# Allegro board 038NC-GRIFFI-V9A_16.brd (continued)
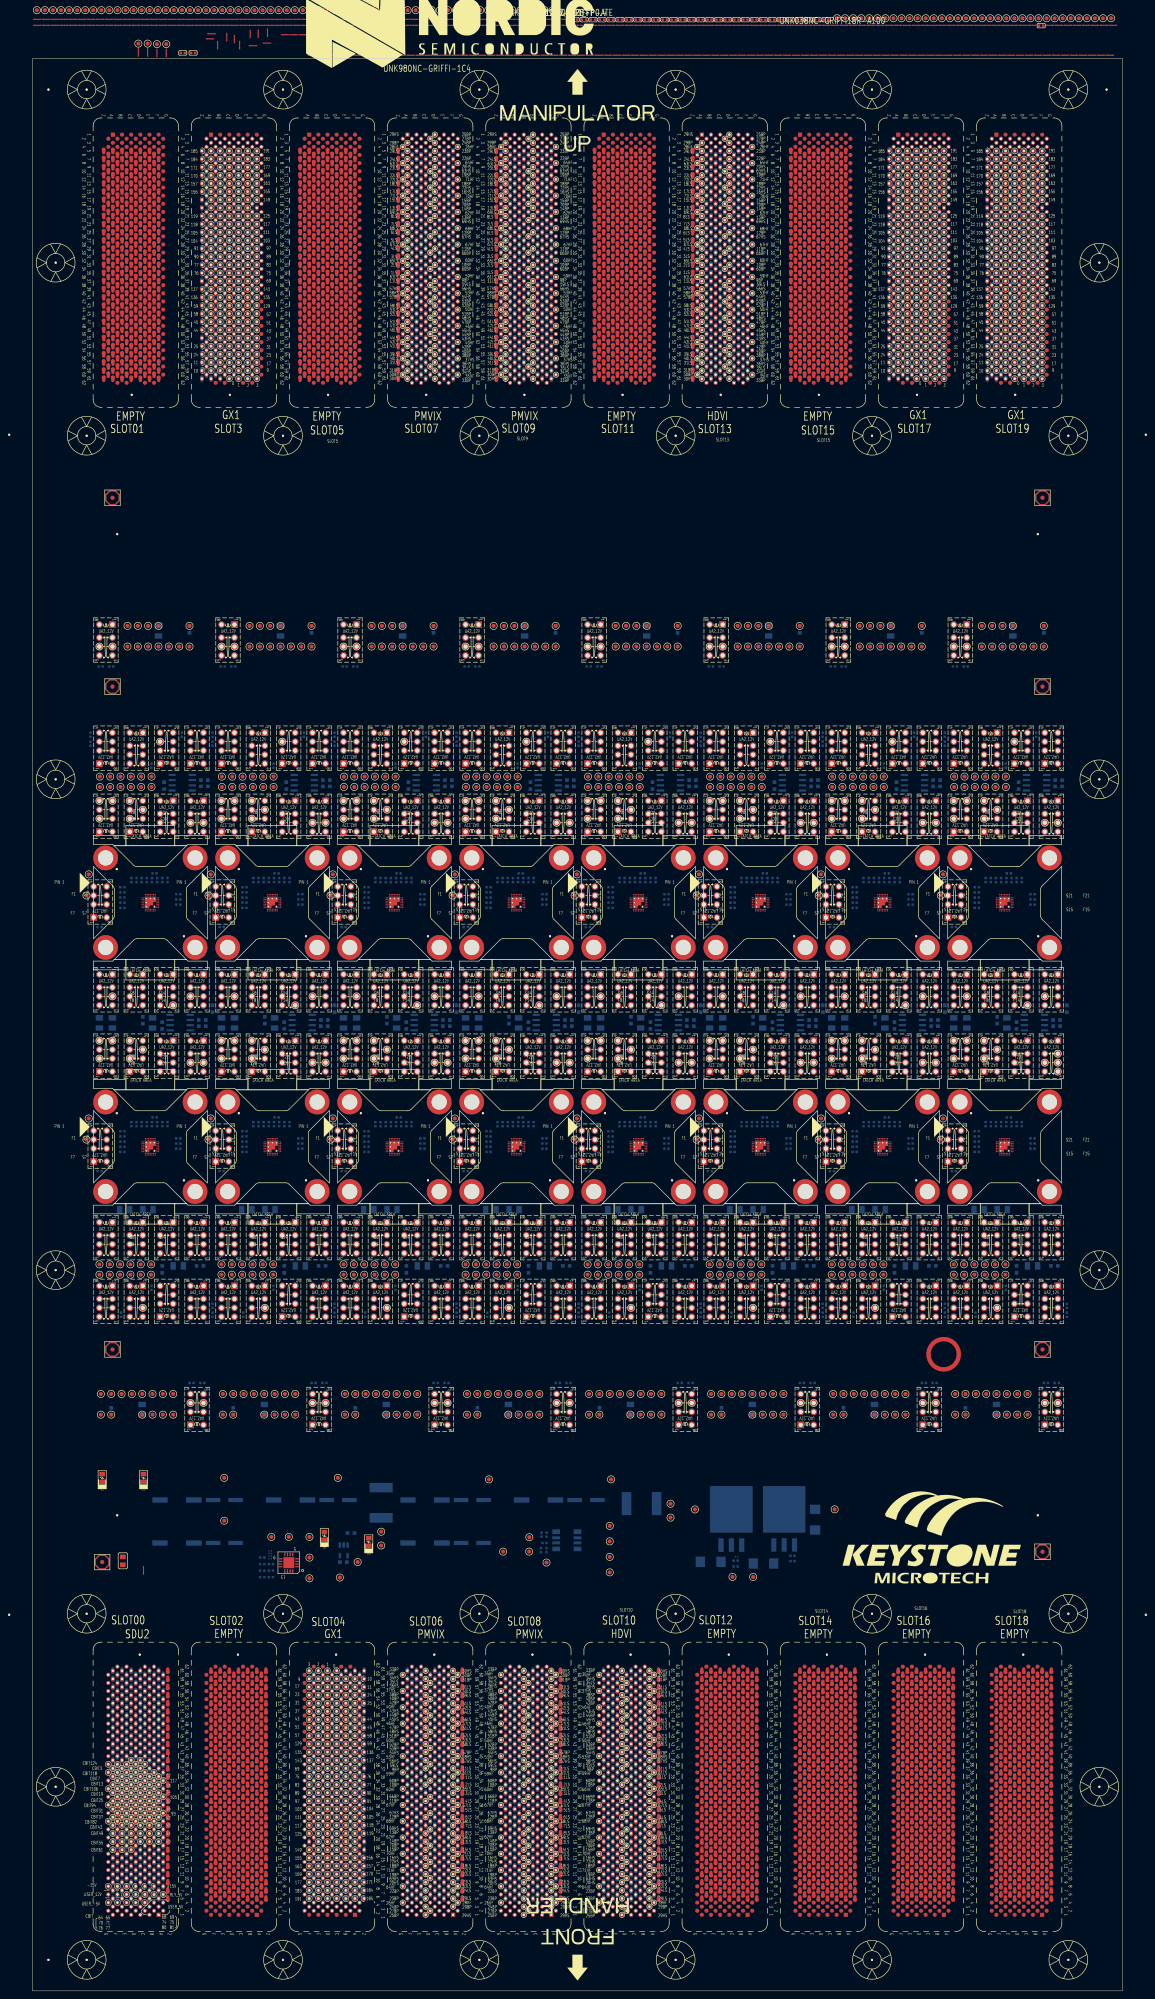
[diagram p0: board, top side]
## Placement (name value [footprint] x y rotation side) (continued)
NOREF#1213  -  []  151.01 266.29 90 top
NOREF#1214  -  []  121.16 295.41 90 top
NOREF#1215  -  []  218.86 173.3 0 top
NOREF#1216  -  []  112.99 226.49 0 top
NOREF#1217  -  []  86.96 208.69 0 top
NOREF#1218  -  []  41.4 295.64 90 top
NOREF#1219  -  []  14.22 225.18 90 top
NOREF#1220  -  []  177.79 209.51 0 top
NOREF#1221  -  []  46.47 290.34 90 top
NOREF#1222  -  []  123.43 240.62 90 top
NOREF#1223  -  []  233.93 288.14 90 top
NOREF#1224  -  []  172.46 106.41 0 top
NOREF#1225  -  []  225.06 269.26 90 top
NOREF#1226  -  []  82.99 286.49 0 top
NOREF#1227  -  []  222.06 284.94 90 top
NOREF#1228  -  []  15.07 300.03 90 top
NOREF#1229  -  []  38.86 139.12 90 top
NOREF#1230  -  []  75.06 263.86 90 top
NOREF#1231  -  []  43.81 238.87 0 top
NOREF#1232  -  []  38.86 139.12 0 top
NOREF#1233  -  []  38.66 177.76 90 top
NOREF#1234  -  []  65.02 300.88 0 top
NOREF#1235  -  []  154.59 228.18 90 top
NOREF#1236  -  []  38.86 304.88 90 top
NOREF#1237  -  []  159.71 458.49 0 top
NOREF#1238  -  []  183.43 300.03 90 top
NOREF#1239  -  []  243.43 240.62 90 top
NOREF#1240  -  []  36 283.29 90 top
NOREF#1241  -  []  49.67 185.73 90 top
NOREF#1242  -  []  53.93 284.94 90 top
NOREF#1243  -  []  43.88 106.81 0 top
NOREF#1244  -  []  63.18 16.49 0 top
NOREF#1245  -  []  31.01 206.29 90 top
NOREF#1246  -  []  132.48 225.18 0 top
NOREF#1247  -  []  188.39 193.49 45 top
NOREF#1248  -  []  241.39 304.88 90 top
NOREF#1249  -  []  229.67 244.47 90 top
NOREF#1250  -  []  131.02 250.67 0 top
NOREF#1251  -  []  130.89 179.68 90 top
NOREF#1252  -  []  103.42 454.29 90 top
NOREF#1253  -  []  81.95 109.2 90 top
NOREF#1254  -  []  20.49 270.77 0 top
NOREF#1255  -  []  209.32 208.11 315 top
NOREF#1256  -  []  120.34 266.14 90 top
NOREF#1257  -  []  236.96 208.69 0 top
NOREF#1258  -  []  251.16 389.27 90 top
NOREF#1259  -  []  78.36 164.05 90 top
NOREF#1260  -  []  23.93 284.94 0 top
NOREF#1261  -  []  91.4 233.58 0 top
NOREF#1262  -  []  26.56 164.05 90 top
NOREF#1263  -  []  181.01 266.69 90 top
NOREF#1264  -  []  31.4 249.87 0 top
NOREF#1265  -  []  60.19 265.86 90 top
NOREF#1266  -  []  147.79 209.51 0 top
NOREF#1267  -  []  14.99 283.99 0 top
NOREF#1268  -  []  178.35 267.84 45 top
NOREF#1269  -  []  248.39 193.49 45 top
NOREF#1270  -  []  52.99 248.49 0 top
NOREF#1271  -  []  209.29 207.51 45 top
NOREF#1272  -  []  125.02 284.14 0 top
NOREF#1273  -  []  175.64 106.94 0 top
NOREF#1274  -  []  192.48 284.14 0 top
NOREF#1275  -  []  237.36 208.69 0 top
NOREF#1276  -  []  121.39 168.9 90 top
NOREF#1277  -  []  183.41 234.38 0 top
NOREF#1278  -  []  221.02 174.1 0 top
NOREF#1279  -  []  89.29 267.51 45 top
NOREF#1280  -  []  207.13 185.73 90 top
NOREF#1281  -  []  226.47 225.98 0 top
NOREF#1282  -  []  173.93 225.98 0 top
NOREF#1283  -  []  34.6 244.47 90 top
NOREF#1284  -  []  15.06 263.86 0 top
NOREF#1285  -  []  55.88 237.76 90 top
NOREF#1286  -  []  55.95 293.34 0 top
NOREF#1287  -  []  203.93 225.98 90 top
NOREF#1288  -  []  34.6 246.67 90 top
NOREF#1289  -  []  33.26 115.65 0 top
NOREF#1290  -  []  143.93 188.93 0 top
NOREF#1291  -  []  83.93 290.34 90 top
NOREF#1292  -  []  16.47 288.14 90 top
NOREF#1293  -  []  23.93 231.38 90 top
NOREF#1294  -  []  162.06 289.34 90 top
NOREF#1295  -  []  44.99 281.49 90 top
NOREF#1296  -  []  17.99 278.49 0 top
NOREF#1297  -  []  16.42 127.15 0 top
NOREF#1298  -  []  23.93 290.34 90 top
NOREF#1299  -  []  58.12 108.17 0 top
NOREF#1300  -  []  57.82 105.89 0 top
NOREF#1301  -  []  29.15 164.9 90 top
NOREF#1302  -  []  109.67 332.66 90 top
NOREF#1303  -  []  196.47 288.14 90 top
NOREF#1304  -  []  169.94 164.9 0 top
NOREF#1305  -  []  236.96 268.69 0 top
NOREF#1306  -  []  13.66 262.21 0 top
NOREF#1307  -  []  91.4 165.7 90 top
NOREF#1308  -  []  15.07 283.29 0 top
NOREF#1309  -  []  76.47 173.3 0 top
NOREF#1310  -  []  132.06 242.27 90 top
NOREF#1311  -  []  64.59 230.38 90 top
NOREF#1312  -  []  157.55 263.78 0 top
NOREF#1313  -  []  218.86 139.12 0 top
NOREF#1314  -  []  72.06 228.18 90 top
NOREF#1315  -  []  115.7 198.99 90 top
NOREF#1316  -  []  45.06 269.26 90 top
NOREF#1317  -  []  151.39 301.68 90 top
NOREF#1318  -  []  16.47 304.88 90 top
NOREF#1319  -  []  119.29 267.51 45 top
NOREF#1320  -  []  202.98 286.49 0 top
NOREF#1321  -  []  19.67 183.53 90 top
NOREF#1322  -  []  38.86 249.87 0 top
NOREF#1323  -  []  222.06 230.38 90 top
NOREF#1324  -  []  76.47 301.68 0 top
NOREF#1325  -  []  86.96 268.69 0 top
NOREF#1326  -  []  158.86 304.88 90 top
NOREF#1327  -  []  61.4 249.87 0 top
NOREF#1328  -  []  43.46 283.29 90 top
NOREF#1329  -  []  58.35 267.84 315 top
NOREF#1330  -  []  118.35 267.84 45 top
NOREF#1331  -  []  91.4 165.7 0 top
NOREF#1332  -  []  52.99 188.49 0 top
NOREF#1333  -  []  87.13 167.9 90 top
NOREF#1334  -  []  164.98 221.49 90 top
NOREF#1335  -  []  181.39 301.68 90 top
NOREF#1336  -  []  147.13 170.1 90 top
NOREF#1337  -  []  26.58 124.95 90 top
NOREF#1338  -  []  146.04 17.15 0 top
NOREF#1339  -  []  21.68 225.18 0 top
NOREF#1340  -  []  213.41 189.73 0 top
NOREF#1341  -  []  100.89 240.62 90 top
NOREF#1342  -  []  102.06 181.33 90 top
NOREF#1343  -  []  230.73 215.74 0 top
NOREF#1344  -  []  63.19 457.2 0 top
NOREF#1345  -  []  248.66 177.76 90 top
NOREF#1346  -  []  187.23 259.24 90 top
NOREF#1347  -  []  60.65 236.45 90 top
NOREF#1348  -  []  194.98 253.49 90 top
NOREF#1349  -  []  99.47 115.65 0 top
NOREF#1350  -  []  229.94 300.88 0 top
NOREF#1351  -  []  158.86 301.68 0 top
NOREF#1352  -  []  228.36 179.68 90 top
NOREF#1353  -  []  188.86 233.58 0 top
NOREF#1354  -  []  87.13 244.47 90 top
NOREF#1355  -  []  83.93 284.94 90 top
NOREF#1356  -  []  208.65 266.87 45 top
NOREF#1357  -  []  161.02 189.73 0 top
NOREF#1358  -  []  20.22 174.1 0 top
NOREF#1359  -  []  190.47 111.76 0 top
NOREF#1360  -  []  169.67 170.1 90 top
NOREF#1361  -  []  209.38 209.51 0 top
NOREF#1362  -  []  225.06 263.86 0 top
NOREF#1363  -  []  48.48 174.1 0 top
NOREF#1364  -  []  147.13 242.27 90 top
NOREF#1365  -  []  107.99 196.49 90 top
NOREF#1366  -  []  199.93 18.69 90 top
NOREF#1367  -  []  213.61 263.06 0 top
NOREF#1368  -  []  16.47 188.93 0 top
NOREF#1369  -  []  228.36 283.29 90 top
NOREF#1370  -  []  154.59 242.27 90 top
NOREF#1371  -  []  50.49 210.77 0 top
NOREF#1372  -  []  85.94 234.38 0 top
NOREF#1373  -  []  218.43 17.15 0 top
NOREF#1374  -  []  105.92 284.14 90 top
NOREF#1375  -  []  163.73 103.85 90 top
NOREF#1376  -  []  16.47 301.68 90 top
NOREF#1377  -  []  117.64 208.84 0 top
NOREF#1378  -  []  68.86 304.88 90 top
NOREF#1379  -  []  98.66 177.76 90 top
NOREF#1380  -  []  58.65 266.87 45 top
NOREF#1381  -  []  194.98 221.49 90 top
NOREF#1382  -  []  243.41 250.67 0 top
NOREF#1383  -  []  252.06 183.53 90 top
NOREF#1384  -  []  211.39 188.93 0 top
NOREF#1385  -  []  23.93 225.98 90 top
NOREF#1386  -  []  128.86 301.68 90 top
NOREF#1387  -  []  98.86 142.32 90 top
NOREF#1388  -  []  115.94 293.34 0 top
NOREF#1389  -  []  104.84 106.81 0 top
NOREF#1390  -  []  205.94 293.34 0 top
NOREF#1391  -  []  128.31 138.32 90 top
NOREF#1392  -  []  155.02 300.88 0 top
NOREF#1393  -  []  161.02 250.67 0 top
NOREF#1394  -  []  67.36 333.84 90 top
NOREF#1395  -  []  239.29 207.51 45 top
NOREF#1396  -  []  14.99 281.49 90 top
NOREF#1397  -  []  85.97 326.61 90 top
NOREF#1398  -  []  226.47 301.68 0 top
NOREF#1399  -  []  147.13 244.47 90 top
NOREF#1400  -  []  72.06 230.38 90 top
NOREF#1401  -  []  14.99 281.49 90 top
NOREF#1402  -  []  191.4 298.06 90 top
NOREF#1403  -  []  226.47 284.94 0 top
NOREF#1404  -  []  76.47 249.87 0 top
NOREF#1405  -  []  97.55 203.78 0 top
NOREF#1406  -  []  107.99 278.49 0 top
NOREF#1407  -  []  31.4 165.7 0 top
NOREF#1408  -  []  173.38 225.18 90 top
NOREF#1409  -  []  94.59 225.98 90 top
NOREF#1410  -  []  164.19 105.45 0 top
NOREF#1411  -  []  164.98 283.99 0 top
NOREF#1412  -  []  146.96 208.69 0 top
NOREF#1413  -  []  58.35 207.84 315 top
NOREF#1414  -  []  68.86 188.93 0 top
NOREF#1415  -  []  106.38 389.27 90 top
NOREF#1416  -  []  188.69 456.29 90 top
NOREF#1417  -  []  57.82 107.84 0 top
NOREF#1418  -  []  94.59 228.18 90 top
NOREF#1419  -  []  134.98 281.49 90 top
NOREF#1420  -  []  205.94 234.38 0 top
NOREF#1421  -  []  25.7 258.99 90 top
NOREF#1422  -  []  21.07 326.61 90 top
NOREF#1423  -  []  162.66 103.55 90 top
NOREF#1424  -  []  55.97 179.68 90 top
NOREF#1425  -  []  70.89 179.68 90 top
NOREF#1426  -  []  16.47 229.18 90 top
NOREF#1427  -  []  161.4 296.54 90 top
NOREF#1428  -  []  252.06 244.47 90 top
NOREF#1429  -  []  31.36 120.65 0 top
NOREF#1430  -  []  49.67 183.53 90 top
NOREF#1431  -  []  72.48 284.14 0 top
NOREF#1432  -  []  233.38 284.14 90 top
NOREF#1433  -  []  136.47 225.98 90 top
NOREF#1434  -  []  82.99 226.49 0 top
NOREF#1435  -  []  244.59 185.73 90 top
NOREF#1436  -  []  100.89 179.68 90 top
NOREF#1437  -  []  25.97 179.68 90 top
NOREF#1438  -  []  23.93 229.18 90 top
NOREF#1439  -  []  29.29 207.51 45 top
NOREF#1440  -  []  48.48 310.08 0 top
NOREF#1441  -  []  188.86 249.87 0 top
NOREF#1442  -  []  211.01 266.69 90 top
NOREF#1443  -  []  117.13 242.27 90 top
NOREF#1444  -  []  235.94 250.67 0 top
NOREF#1445  -  []  188.66 177.76 90 top
NOREF#1446  -  []  233.93 309.28 0 top
NOREF#1447  -  []  200.73 215.74 0 top
NOREF#1448  -  []  173.93 288.14 90 top
NOREF#1449  -  []  181.39 249.87 0 top
NOREF#1450  -  []  183.61 263.06 0 top
NOREF#1451  -  []  115.94 250.67 0 top
NOREF#1452  -  []  170.73 275.74 0 top
NOREF#1453  -  []  105.06 263.86 90 top
NOREF#1454  -  []  175.97 326.61 90 top
NOREF#1455  -  []  237.13 301.68 90 top
NOREF#1456  -  []  147.04 82.65 0 top
NOREF#1457  -  []  252.06 185.73 90 top
NOREF#1458  -  []  73.65 17.15 0 top
NOREF#1459  -  []  192.06 170.1 90 top
NOREF#1460  -  []  150.18 205.47 90 top
NOREF#1461  -  []  193.01 240.57 90 top
NOREF#1462  -  []  130.89 240.62 90 top
NOREF#1463  -  []  128.39 253.49 45 top
NOREF#1464  -  []  34.6 289.34 90 top
NOREF#1465  -  []  38.39 253.49 45 top
NOREF#1466  -  []  57.79 269.51 0 top
NOREF#1467  -  []  145.97 179.68 90 top
NOREF#1468  -  []  173.93 229.18 90 top
NOREF#1469  -  []  136.47 231.38 90 top
NOREF#1470  -  []  226.47 284.94 90 top
NOREF#1471  -  []  16.15 123.41 90 top
NOREF#1472  -  []  19.67 167.9 90 top
NOREF#1473  -  []  83.93 173.3 0 top
NOREF#1474  -  []  29.39 209.51 0 top
NOREF#1475  -  []  166.47 301.68 0 top
NOREF#1476  -  []  83.93 249.87 0 top
NOREF#1477  -  []  154.59 289.34 90 top
NOREF#1478  -  []  154.59 185.73 90 top
NOREF#1479  -  []  14.22 225.18 0 top
NOREF#1480  -  []  111.43 16.49 0 top
NOREF#1481  -  []  98.86 188.93 0 top
NOREF#1482  -  []  166.47 290.34 90 top
NOREF#1483  -  []  247.36 333.84 90 top
NOREF#1484  -  []  41.02 189.73 0 top
NOREF#1485  -  []  42.06 228.18 90 top
NOREF#1486  -  []  91.16 295.41 90 top
NOREF#1487  -  []  258.36 164.05 90 top
NOREF#1488  -  []  178.35 207.84 45 top
NOREF#1489  -  []  80.74 215.74 0 top
NOREF#1490  -  []  248.39 253.49 45 top
NOREF#1491  -  []  63.41 250.67 0 top
NOREF#1492  -  []  229.67 246.67 90 top
NOREF#1493  -  []  235.94 189.73 0 top
NOREF#1494  -  []  170.73 215.74 0 top
NOREF#1495  -  []  102.06 183.53 90 top
NOREF#1496  -  []  135.06 207.06 90 top
NOREF#1497  -  []  46.47 301.68 0 top
NOREF#1498  -  []  203.93 225.98 0 top
NOREF#1499  -  []  158.86 139.12 0 top
NOREF#1500  -  []  168.36 240.62 90 top
NOREF#1501  -  []  248.31 300.88 90 top
NOREF#1502  -  []  34.6 230.38 90 top
NOREF#1503  -  []  68.86 301.68 0 top
NOREF#1504  -  []  150.67 176.51 90 top
NOREF#1505  -  []  177.13 170.1 90 top
NOREF#1506  -  []  63.41 234.38 0 top
NOREF#1507  -  []  198.48 310.08 0 top
NOREF#1508  -  []  175.97 179.68 90 top
NOREF#1509  -  []  207.13 303.88 90 top
NOREF#1510  -  []  227.98 218.49 0 top
NOREF#1511  -  []  95.02 300.88 0 top
NOREF#1512  -  []  203.93 229.18 90 top
NOREF#1513  -  []  192.06 242.27 90 top
NOREF#1514  -  []  116.96 208.69 0 top
NOREF#1515  -  []  164.98 193.49 90 top
NOREF#1516  -  []  45.92 225.18 90 top
NOREF#1517  -  []  104.99 190.99 90 top
NOREF#1518  -  []  185.02 225.18 0 top
NOREF#1519  -  []  134.98 221.49 90 top
NOREF#1520  -  []  60.67 176.51 90 top
NOREF#1521  -  []  16.47 249.87 0 top
NOREF#1522  -  []  184.59 284.94 90 top
NOREF#1523  -  []  98.86 144.52 90 top
NOREF#1524  -  []  147.36 268.69 0 top
NOREF#1525  -  []  29.32 208.11 315 top
NOREF#1526  -  []  97.36 333.84 90 top
NOREF#1527  -  []  35.02 225.18 0 top
NOREF#1528  -  []  169.67 246.67 90 top
NOREF#1529  -  []  68.86 301.68 90 top
NOREF#1530  -  []  55.15 18.69 90 top
NOREF#1531  -  []  42.06 165.7 90 top
NOREF#1532  -  []  248.86 173.3 0 top
NOREF#1533  -  []  116.3 456.29 0 top
NOREF#1534  -  []  205.94 250.67 0 top
NOREF#1535  -  []  192.06 287.14 90 top
NOREF#1536  -  []  88.35 207.84 45 top
NOREF#1537  -  []  233.93 284.94 0 top
NOREF#1538  -  []  214.59 246.67 90 top
NOREF#1539  -  []  134.98 223.99 0 top
NOREF#1540  -  []  224.98 190.99 90 top
NOREF#1541  -  []  85.94 293.34 0 top
NOREF#1542  -  []  102.06 287.14 90 top
NOREF#1543  -  []  57.13 244.47 90 top
NOREF#1544  -  []  199.67 185.73 90 top
NOREF#1545  -  []  57.82 106.54 0 top
NOREF#1546  -  []  14.99 223.99 0 top
NOREF#1547  -  []  180.33 206.14 90 top
NOREF#1548  -  []  85.88 237.76 90 top
NOREF#1549  -  []  140.74 275.74 0 top
NOREF#1550  -  []  43.9 18.69 0 top
NOREF#1551  -  []  79.67 246.67 90 top
NOREF#1552  -  []  213.41 234.38 0 top
NOREF#1553  -  []  44.4 120.65 0 top
NOREF#1554  -  []  218.86 301.68 90 top
NOREF#1555  -  []  93.61 263.06 0 top
NOREF#1556  -  []  107.99 256.49 90 top
NOREF#1557  -  []  149.29 267.51 45 top
NOREF#1558  -  []  33.61 263.06 0 top
NOREF#1559  -  []  238.37 207.15 315 top
NOREF#1560  -  []  109.94 300.88 0 top
NOREF#1561  -  []  228.36 164.05 90 top
NOREF#1562  -  []  105.06 267.06 90 top
NOREF#1563  -  []  93.41 293.34 0 top
NOREF#1564  -  []  217.55 203.78 0 top
NOREF#1565  -  []  211.39 233.58 0 top
NOREF#1566  -  []  218.43 17.15 90 top
NOREF#1567  -  []  70.9 239.1 90 top
NOREF#1568  -  []  233.38 225.18 90 top
NOREF#1569  -  []  88.37 207.15 315 top
NOREF#1570  -  []  14.99 221.49 90 top
NOREF#1571  -  []  22.99 248.49 0 top
NOREF#1572  -  []  142.98 286.49 0 top
NOREF#1573  -  []  215.02 300.88 0 top
NOREF#1574  -  []  98.86 307.08 90 top
NOREF#1575  -  []  213.43 300.03 90 top
NOREF#1576  -  []  120.84 300.88 90 top
NOREF#1577  -  []  180.65 236.45 90 top
NOREF#1578  -  []  210.33 206.14 90 top
NOREF#1579  -  []  94.59 183.53 90 top
NOREF#1580  -  []  218.31 138.32 90 top
NOREF#1581  -  []  248.86 139.12 90 top
NOREF#1582  -  []  230.73 275.74 0 top
NOREF#1583  -  []  241.01 266.69 90 top
NOREF#1584  -  []  58.12 106.22 0 top
NOREF#1585  -  []  123.41 234.38 0 top
NOREF#1586  -  []  46.47 229.18 90 top
NOREF#1587  -  []  160.89 224.33 90 top
NOREF#1588  -  []  140.43 456.29 90 top
NOREF#1589  -  []  191.02 250.67 0 top
NOREF#1590  -  []  108.36 283.29 90 top
NOREF#1591  -  []  68.86 142.32 90 top
NOREF#1592  -  []  23.93 249.87 0 top
NOREF#1593  -  []  74.99 250.99 90 top
NOREF#1594  -  []  232.08 83.81 0 top
NOREF#1595  -  []  80.48 210.77 0 top
NOREF#1596  -  []  91.4 301.68 0 top
NOREF#1597  -  []  210.67 176.51 90 top
NOREF#1598  -  []  135.56 82.55 0 top
NOREF#1599  -  []  169.94 300.88 0 top
NOREF#1600  -  []  101.02 336.66 0 top
NOREF#1601  -  []  139.67 244.47 90 top
NOREF#1602  -  []  121.39 292.54 0 top
NOREF#1603  -  []  214.59 183.53 90 top
NOREF#1604  -  []  164.98 250.99 90 top
NOREF#1605  -  []  150.18 205.86 90 top
NOREF#1606  -  []  147.13 303.88 90 top
NOREF#1607  -  []  29.39 269.51 0 top
NOREF#1608  -  []  50.49 270.77 0 top
NOREF#1609  -  []  88.65 266.87 45 top
NOREF#1610  -  []  34.6 228.18 90 top
NOREF#1611  -  []  184.59 230.38 90 top
NOREF#1612  -  []  132.06 289.34 90 top
NOREF#1613  -  []  49.67 332.66 90 top
NOREF#1614  -  []  68.31 138.32 90 top
NOREF#1615  -  []  181.01 206.69 90 top
NOREF#1616  -  []  149.43 456.29 0 top
NOREF#1617  -  []  154.31 14.59 90 top
NOREF#1618  -  []  207.41 138.32 0 top
NOREF#1619  -  []  150.65 236.45 90 top
NOREF#1620  -  []  177.13 306.08 90 top
NOREF#1621  -  []  194.98 281.49 90 top
NOREF#1622  -  []  172.98 226.49 0 top
NOREF#1623  -  []  130.89 224.33 90 top
NOREF#1624  -  []  128.31 300.88 90 top
NOREF#1625  -  []  229.67 181.33 90 top
NOREF#1626  -  []  211.39 165.7 0 top
NOREF#1627  -  []  207.63 268.84 0 top
NOREF#1628  -  []  158.86 301.68 90 top
NOREF#1629  -  []  190.89 240.62 90 top
NOREF#1630  -  []  68.86 139.12 90 top
NOREF#1631  -  []  47.99 196.49 90 top
NOREF#1632  -  []  258.36 283.29 90 top
NOREF#1633  -  []  252.06 225.98 90 top
NOREF#1634  -  []  162.48 225.18 0 top
NOREF#1635  -  []  115.97 326.61 90 top
NOREF#1636  -  []  166.47 225.98 90 top
NOREF#1637  -  []  113.93 309.28 0 top
NOREF#1638  -  []  222.48 225.18 0 top
NOREF#1639  -  []  183.41 293.34 0 top
NOREF#1640  -  []  101.17 456.29 0 top
NOREF#1641  -  []  53.93 229.18 90 top
NOREF#1642  -  []  77.46 112.09 90 top
NOREF#1643  -  []  33.99 389.27 90 top
NOREF#1644  -  []  184.59 181.33 90 top
NOREF#1645  -  []  57.13 301.68 90 top
NOREF#1646  -  []  15.07 337.51 0 top
NOREF#1647  -  []  175.7 258.99 90 top
NOREF#1648  -  []  177.41 138.32 0 top
NOREF#1649  -  []  118.65 206.87 45 top
NOREF#1650  -  []  91.4 188.93 0 top
NOREF#1651  -  []  98.86 139.12 0 top
NOREF#1652  -  []  49.67 181.33 90 top
NOREF#1653  -  []  49.67 244.47 90 top
NOREF#1654  -  []  117.13 185.73 90 top
NOREF#1655  -  []  87.13 170.1 90 top
NOREF#1656  -  []  49.67 170.1 90 top
NOREF#1657  -  []  151.16 295.41 90 top
NOREF#1658  -  []  93.61 203.06 0 top
NOREF#1659  -  []  168.36 283.29 90 top
NOREF#1660  -  []  207.41 300.88 0 top
NOREF#1661  -  []  135.92 225.18 90 top
NOREF#1662  -  []  15.06 209.26 90 top
NOREF#1663  -  []  120.18 265.47 90 top
NOREF#1664  -  []  199.67 165.7 90 top
NOREF#1665  -  []  108.36 164.05 90 top
NOREF#1666  -  []  102.06 289.34 90 top
NOREF#1667  -  []  236.95 456.29 90 top
NOREF#1668  -  []  71.03 112.93 0 top
NOREF#1669  -  []  203.93 249.87 0 top
NOREF#1670  -  []  139.67 167.9 90 top
NOREF#1671  -  []  31.4 168.9 90 top
NOREF#1672  -  []  142.98 226.49 0 top
NOREF#1673  -  []  229.67 330.46 90 top
NOREF#1674  -  []  91.01 266.69 90 top
NOREF#1675  -  []  158.86 307.08 90 top
NOREF#1676  -  []  139.67 170.1 90 top
NOREF#1677  -  []  217.23 259.24 90 top
NOREF#1678  -  []  106.47 290.34 90 top
NOREF#1679  -  []  232.98 188.49 0 top
NOREF#1680  -  []  15.07 300.03 0 top
NOREF#1681  -  []  154.59 230.38 90 top
NOREF#1682  -  []  66.45 115.65 0 top
NOREF#1683  -  []  207.36 268.69 0 top
NOREF#1684  -  []  100.9 237.58 90 top
NOREF#1685  -  []  74.99 283.99 0 top
NOREF#1686  -  []  215.02 284.14 0 top
NOREF#1687  -  []  91.47 115.65 90 top
NOREF#1688  -  []  35.02 300.88 0 top
NOREF#1689  -  []  183.41 250.67 0 top
NOREF#1690  -  []  57.13 181.33 90 top
NOREF#1691  -  []  124.59 185.73 90 top
NOREF#1692  -  []  42.06 242.27 90 top
NOREF#1693  -  []  134.98 283.99 0 top
NOREF#1694  -  []  178.35 267.84 315 top
NOREF#1695  -  []  143.93 284.94 0 top
NOREF#1696  -  []  70.89 240.62 90 top
NOREF#1697  -  []  195.3 82.65 0 top
NOREF#1698  -  []  196.47 249.87 0 top
NOREF#1699  -  []  127.55 263.78 0 top
NOREF#1700  -  []  220.89 179.68 90 top
NOREF#1701  -  []  212.81 18.69 0 top
NOREF#1702  -  []  172.98 188.49 90 top
NOREF#1703  -  []  194.98 193.49 90 top
NOREF#1704  -  []  137.21 143.34 90 top
NOREF#1705  -  []  72.06 167.9 90 top
NOREF#1706  -  []  258.36 179.68 90 top
NOREF#1707  -  []  208.35 267.84 315 top
NOREF#1708  -  []  77.99 278.49 0 top
NOREF#1709  -  []  203.93 309.28 0 top
NOREF#1710  -  []  81.68 107.67 90 top
NOREF#1711  -  []  128.86 292.54 0 top
NOREF#1712  -  []  109.67 185.73 90 top
NOREF#1713  -  []  127.55 203.78 0 top
NOREF#1714  -  []  106.47 231.38 90 top
NOREF#1715  -  []  224.98 193.49 90 top
NOREF#1716  -  []  98.86 249.87 0 top
NOREF#1717  -  []  164.56 396.29 0 top
NOREF#1718  -  []  104.84 106.81 90 top
NOREF#1719  -  []  42.61 189.73 0 top
NOREF#1720  -  []  203.93 288.14 90 top
NOREF#1721  -  []  222.06 181.33 90 top
NOREF#1722  -  []  64.59 242.27 90 top
NOREF#1723  -  []  224.98 221.49 90 top
NOREF#1724  -  []  154.59 181.33 90 top
NOREF#1725  -  []  226.47 231.38 90 top
NOREF#1726  -  []  27.68 174.1 0 top
NOREF#1727  -  []  199.67 170.1 90 top
NOREF#1728  -  []  58.1 14.59 90 top
NOREF#1729  -  []  46.47 225.98 90 top
NOREF#1730  -  []  38.86 301.68 90 top
NOREF#1731  -  []  68.86 249.87 0 top
NOREF#1732  -  []  97.55 263.78 0 top
NOREF#1733  -  []  89.32 208.11 315 top
NOREF#1734  -  []  218.31 300.88 90 top
NOREF#1735  -  []  232.98 188.49 90 top
NOREF#1736  -  []  85.7 198.99 90 top
NOREF#1737  -  []  113.93 290.34 90 top
NOREF#1738  -  []  34.6 225.98 90 top
NOREF#1739  -  []  42.06 289.34 90 top
NOREF#1740  -  []  43.91 456.29 90 top
NOREF#1741  -  []  75.56 104.96 90 top
NOREF#1742  -  []  224.98 223.99 0 top
NOREF#1743  -  []  151.39 301.68 0 top
NOREF#1744  -  []  148.35 267.84 315 top
NOREF#1745  -  []  158.86 173.3 0 top
NOREF#1746  -  []  102.48 284.14 0 top
NOREF#1747  -  []  89.29 207.51 45 top
NOREF#1748  -  []  19.67 165.7 90 top
NOREF#1749  -  []  117.36 208.69 0 top
NOREF#1750  -  []  38.86 292.54 0 top
NOREF#1751  -  []  16.47 307.08 90 top
NOREF#1752  -  []  165.06 267.06 90 top
NOREF#1753  -  []  113.93 188.93 0 top
NOREF#1754  -  []  68.86 139.12 0 top
NOREF#1755  -  []  77.03 18.69 0 top
NOREF#1756  -  []  181.39 292.54 0 top
NOREF#1757  -  []  16.47 225.98 0 top
NOREF#1758  -  []  237.13 185.73 90 top
NOREF#1759  -  []  61.4 165.7 90 top
NOREF#1760  -  []  238.65 206.87 45 top
NOREF#1761  -  []  168.48 189.73 0 top
NOREF#1762  -  []  76.47 284.94 90 top
NOREF#1763  -  []  113.93 288.14 90 top
NOREF#1764  -  []  164.51 203.06 90 top
NOREF#1765  -  []  147.13 306.08 90 top
NOREF#1766  -  []  27.13 301.68 90 top
NOREF#1767  -  []  120.18 205.47 90 top
NOREF#1768  -  []  102.06 246.67 90 top
NOREF#1769  -  []  75.92 284.14 90 top
NOREF#1770  -  []  222.06 244.47 90 top
NOREF#1771  -  []  46.47 304.88 90 top
NOREF#1772  -  []  173.93 284.94 90 top
NOREF#1773  -  []  79.28 18.69 90 top
NOREF#1774  -  []  25.39 17.15 0 top
NOREF#1775  -  []  175.88 237.76 90 top
NOREF#1776  -  []  194.98 283.99 0 top
NOREF#1777  -  []  238.65 266.87 45 top
NOREF#1778  -  []  228.48 310.08 0 top
NOREF#1779  -  []  31.4 188.93 0 top
NOREF#1780  -  []  148.35 267.84 45 top
NOREF#1781  -  []  100.89 224.33 90 top
NOREF#1782  -  []  44.99 281.49 90 top
NOREF#1783  -  []  222.06 287.14 90 top
NOREF#1784  -  []  211.16 295.41 90 top
NOREF#1785  -  []  82.73 114.89 0 top
NOREF#1786  -  []  241.39 171.1 90 top
NOREF#1787  -  []  192.06 284.94 90 top
NOREF#1788  -  []  71.4 298.06 90 top
NOREF#1789  -  []  148.65 266.87 45 top
NOREF#1790  -  []  57.13 167.9 90 top
NOREF#1791  -  []  131.4 298.06 90 top
NOREF#1792  -  []  168.36 164.05 90 top
NOREF#1793  -  []  188.86 301.68 0 top
NOREF#1794  -  []  87.13 181.33 90 top
NOREF#1795  -  []  113.38 284.14 90 top
NOREF#1796  -  []  164.98 190.99 90 top
NOREF#1797  -  []  106.47 284.94 90 top
NOREF#1798  -  []  59.29 267.51 45 top
NOREF#1799  -  []  143.93 290.34 90 top
NOREF#1800  -  []  100.89 283.29 90 top
NOREF#1801  -  []  148.65 206.87 45 top
NOREF#1802  -  []  116.29 20.69 90 top
NOREF#1803  -  []  215.02 225.18 0 top
NOREF#1804  -  []  244.59 289.34 90 top
NOREF#1805  -  []  102.06 242.27 90 top
NOREF#1806  -  []  154.59 246.67 90 top
NOREF#1807  -  []  243.43 179.68 90 top
NOREF#1808  -  []  172.98 286.49 0 top
NOREF#1809  -  []  65.02 225.18 0 top
NOREF#1810  -  []  220.89 283.29 90 top
NOREF#1811  -  []  30.19 205.86 90 top
NOREF#1812  -  []  162.06 242.27 90 top
NOREF#1813  -  []  59.02 105.89 90 top
NOREF#1814  -  []  168.48 310.08 0 top
NOREF#1815  -  []  87.13 306.08 90 top
NOREF#1816  -  []  21.68 225.18 90 top
NOREF#1817  -  []  197.69 456.29 0 top
NOREF#1818  -  []  117.36 268.69 0 top
NOREF#1819  -  []  74.99 281.49 90 top
NOREF#1820  -  []  98.86 173.3 0 top
NOREF#1821  -  []  235.7 258.99 90 top
NOREF#1822  -  []  233.93 229.18 90 top
NOREF#1823  -  []  125.02 300.88 0 top
NOREF#1824  -  []  117.13 170.1 90 top
NOREF#1825  -  []  147.13 183.53 90 top
NOREF#1826  -  []  150.84 300.88 90 top
NOREF#1827  -  []  203.93 231.38 90 top
NOREF#1828  -  []  33.26 105.11 0 top
NOREF#1829  -  []  166.47 229.18 90 top
NOREF#1830  -  []  135.06 203.86 90 top
NOREF#1831  -  []  197.98 278.49 0 top
NOREF#1832  -  []  136.47 284.94 90 top
NOREF#1833  -  []  188.86 139.12 90 top
NOREF#1834  -  []  237.36 268.69 0 top
NOREF#1835  -  []  235.97 326.61 90 top
NOREF#1836  -  []  60.34 266.14 90 top
NOREF#1837  -  []  224.98 250.99 90 top
NOREF#1838  -  []  239.29 267.51 45 top
NOREF#1839  -  []  131.4 296.54 90 top
NOREF#1840  -  []  211.39 301.68 0 top
NOREF#1841  -  []  106.47 173.3 0 top
NOREF#1842  -  []  42.06 230.38 90 top
NOREF#1843  -  []  210.18 205.86 90 top
NOREF#1844  -  []  60.84 300.88 90 top
NOREF#1845  -  []  117.13 165.7 90 top
NOREF#1846  -  []  79.67 242.27 90 top
NOREF#1847  -  []  205.94 189.73 0 top
NOREF#1848  -  []  191.02 189.73 0 top
NOREF#1849  -  []  222.06 225.98 90 top